# Altium PCB OneBox.PcbDoc (part 13 of 13)
Units mm, origin at the board's own origin, x right, y up, seen from the top; angles counter-clockwise.
Board outline 101 x 69 mm, 6 copper layers (L1_Sig, L2_Gnd, L3_Pow, L4_Sig, L5_Gnd, L6_Sig), stack 1.538 mm thick; 766 components, 563 nets, 3133 pads, 2914 vias.
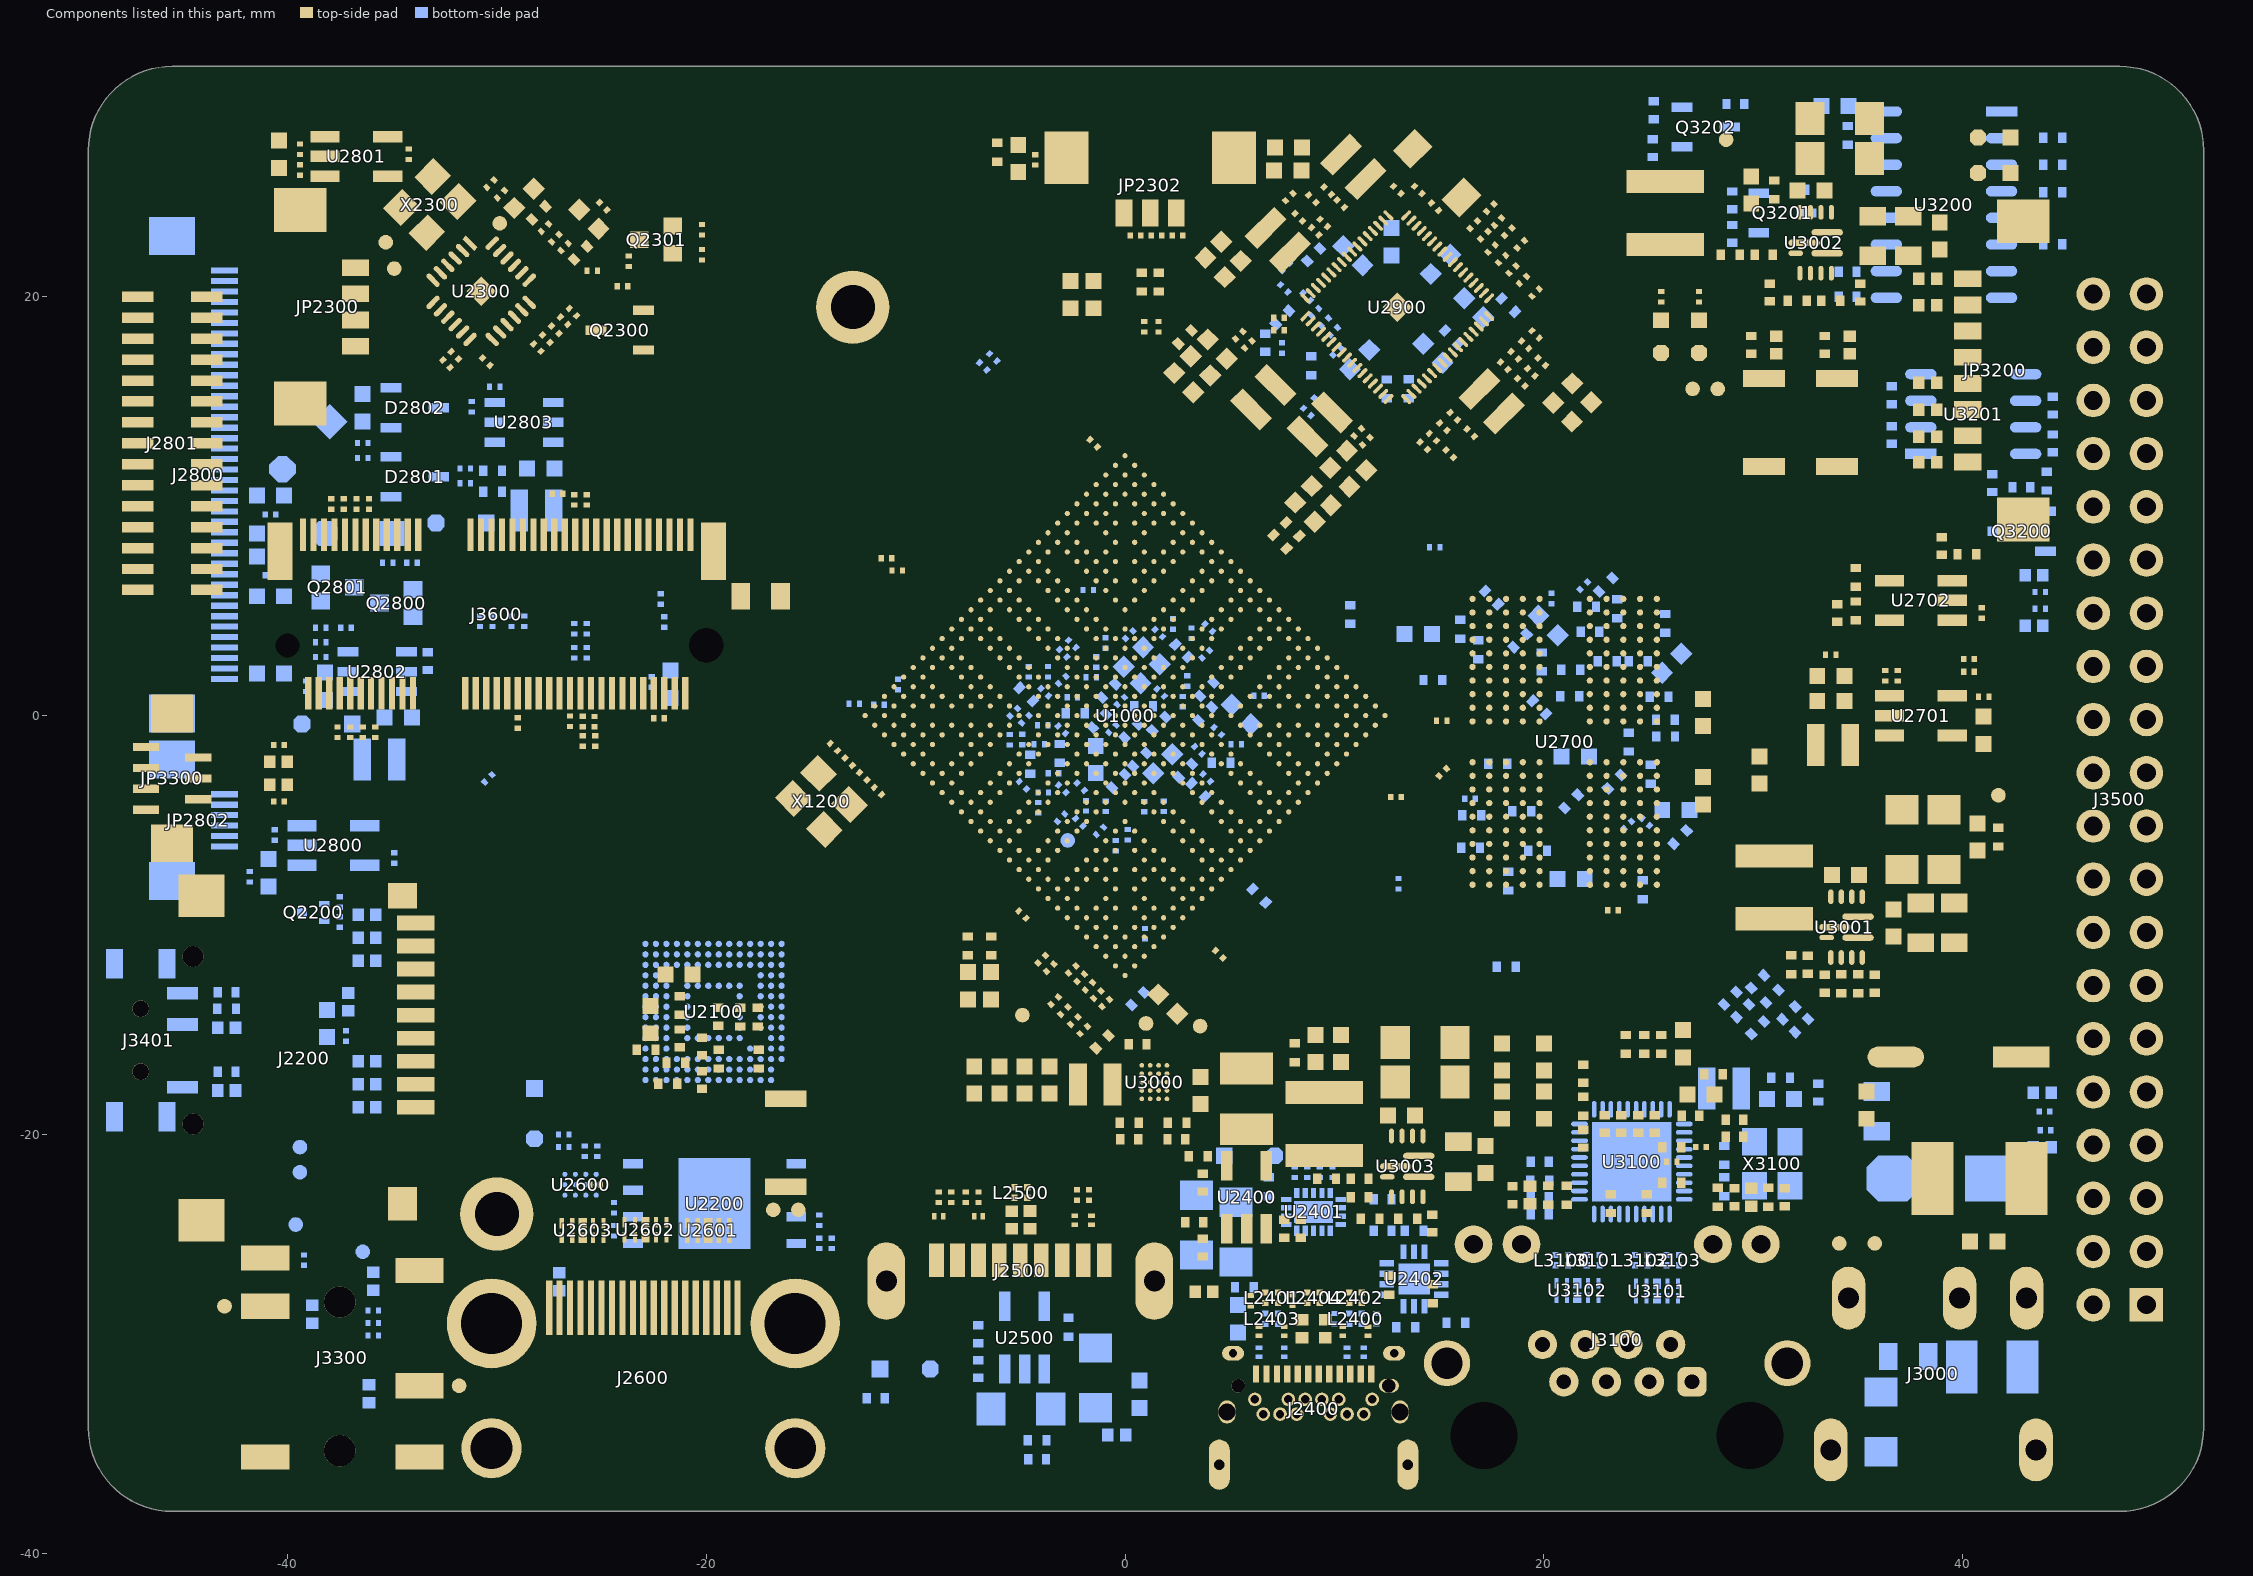
[diagram p17: the components of this part, seen from the top]

## Other copper
L1_Sig:
  pour cut-out: 46.23,9.97 46.177,9.917 46.177,9.077 47.023,9.077 47.3,8.8 47.6,8.8 48.77,9.97
  pour cut-out: 48.77,-7.81 48.77,-10.35 50.1,-9.02 50.1,-7.8
  pour cut-out: 45,-1.4 45.7,-2.1 46.86,-2.1 47.46,-1.5 47.5,-1.5 47.5,-3.291 47.495,-3.295 48.2,-4 49.2,-4 49.65,-4.45 49.59,-4.45 48.77,-5.27 45.87,-5.27 44.2,-3.6
  pour cut-out: 28.4,-7.9 28.735,-7.565 32.9,-7.565 33.267,-7.932 33.267,-8.083 33.466,-8.083 33.45,-8.066 33.45,-7.4 28.458,-7.4
  pour cut-out: 35.1,-2.665 35.165,-2.6 35.8,-2.6 36.2,-2.2 36.2,-1.597 36.068,-1.465 36.033,-1.5 35.4,-1.5
  pour cut-out: -40.468,-2.602 -40.468,-2.898 -40.894,-2.898 -40.989,-2.803 -40.982,-2.795 -40.982,-2.679 -40.975,-2.679 -40.897,-2.602
  pour cut-out: -2.435,-24.102 -1.565,-24.102 -1.565,-23.68 -1.564,-23.678 -2.436,-23.678
  pour cut-out: 9.318,-29.227 10.8,-29.227 10.8,-28.2 10.95,-28.05 9.3,-28.05
  pour cut-out: 44.3,12.3 44.3,11.7 44.7,11.3 44.6,11.2 43.387,11.2 43.387,11.313 43.3,11.4
  pour cut-out: 33,-12.4 33,-12.619 33.058,-12.677 33.048,-12.686 33.048,-12.923 33.489,-12.923 33.422,-12.856 33.422,-12.677
  pour cut-out: 33.912,-11.236 34.083,-11.065 34.316,-11.065 34.487,-11.236 34.523,-11.2 34.6,-11.2 34.2,-10.8 33.8,-10.8
  pour cut-out: 10.641,-18.971 10.641,-20.059 10.4,-20.3 10.5,-20.4 11.8,-20.4 12.1,-20.1 11.7,-19.7 11.7,-18.6 11.012,-18.6
  pour cut-out: -6.748,-22.523 -5.528,-22.474 -5.528,-23.477 -5.658,-23.348 -6.748,-23.348
  pour cut-out: -20.265,-13.207 -20.212,-13.207 -19.653,-13.766 -19.412,-13.766 -19.412,-13.764 -18.894,-13.246 -18.9,-13.241 -18.9,-12.6 -19.655,-12.6 -19.657,-12.599
  pour cut-out: -21.682,-17.931 -21.682,-18.018 -21.2,-18.5 -20.846,-18.5
  pour cut-out: -19.848,-16.325 -19.848,-17.891 -20.66,-17.891 -20.681,-17.87 -20.681,-17.406 -20.2,-16.925 -20.2,-16.225
  pour cut-out: -18.023,-14.545 -17.887,-14.545 -17.887,-15.068 -18.023,-15.068
  pour cut-out: -15.152,-13.952 -15,-13.8 -14.9,-13.8 -14.9,-13.819 -14.9,-13.8 -14.8,-13.985 -14.8,-14.28 -14.837,-14.381 -15.618,-14.381 -15.618,-14.28 -15.886,-14.013 -15.886,-14.008 -15.83,-13.952
  pour cut-out: 21.525,-16.57 21.525,-18.501 21.526,-18.501 22.229,-18.501 22.229,-16.977
  pour cut-out: 25.652,-19.377 25.727,-19.452 26.273,-19.452 26.273,-18.748 26.248,-18.773 25.652,-18.773
  pour cut-out: 6.218,-14.977 6.39,-14.977 6.813,-15.4 7.1,-15.4 7.1,-15.3 7.5,-14.9 7.185,-14.585 7.185,-14.509 7.155,-14.509 6.461,-13.815 6.461,-13.805 6.338,-13.805 6.078,-14.065
  pour cut-out: -14.5,17 -14.5,16.1 -14.514,16.086 -16.386,16.086 -17,16.7 -17,17
  pour cut-out: 4.583,13.283 6.283,12.004 6.283,12.367 7.338,13.422 6.761,14 6.2,14
  pour cut-out: -26.4,-25.8 -25.4,-25.8 -25.5,-25.9 -25.5,-27.182 -25.819,-26.863 -26.165,-26.863 -26.165,-26.035
  pour cut-out: -26.9,-25.8 -26.4,-25.8 -26.4,-24.93 -26.9,-24.93
  pour cut-out: -17.852,-17.152 -18.2,-17.5 -17.6,-17.5 -17.15,-17.95 -16.15,-17.95 -16.232,-17.868 -16.232,-17.568 -16.9,-16.9
  pour cut-out: -29.105,-15.066 -28.5,-15.1 -28.1,-15.1 -28.1,-17.267 -28.963,-18.13 -29.197,-18.13 -29.197,-17.779 -29.8,-17.176 -29.8,-15.124 -29.454,-14.777
  pour cut-out: 20.49,-4.952 20.49,-4.853 20.843,-4.5 21.3,-4.5 21.3,-4.867 21.392,-4.959 21.392,-5.497 20.958,-5.497 20.76,-5.695 20.476,-5.41 20.476,-4.952
  pour cut-out: 23.019,13.3 23.018,13.3 23.018,12.318 22.5,11.8 22.51,11.79 24.384,11.79 24.384,11.884 24.5,12 23.2,13.3
  pour cut-out: 4.157,-11.9 4.157,-12.678 3.191,-13.644 1.813,-12.266 1.813,-11.487 2.3,-11 3.2,-11
  pour cut-out: -3.915,-8.177 -3.81,-8.273 -3.054,-9.029 -2.621,-9.471 -3.31,-10.16 -4.242,-10.16 -5.611,-8.791 -5.616,-8.791 -5.616,-8.591 -5.395,-8.37 -5.344,-8.421 -4.957,-8.421
  pour cut-out: 35.73,20.627 35.102,20.627 34.975,20.5 33.768,20.5 33.768,21.568 33.9,21.7 35.3,21.7 35.73,21.27
  pour cut-out: 24.245,16.812 23.2,15.767 23.2,16.4 22.9,16.7 23.129,16.929 24.129,16.929
  pour cut-out: 23.7,29.6 22.658,28.558 22.658,23.142 22.7,23.1 22.8,23.2 23.7,23.2 23.9,23.4 28.5,23.4 28.028,23.872 28.028,24.895 27.833,24.7 24,24.7 23.7,25
  pour cut-out: 21.014,23.255 20.669,23.6 20.6,23.6 20.6,25.4 21.7,25.4 22.33,24.77 22,24.439 22,22.4 21.869,22.4 21.593,22.676
  pour cut-out: 21.361,29.91 23.7,29.859 22.658,28.817 22.658,24.842 22.7,24.8 22.67,24.77 22.33,24.77 21.7,25.4 20.6,25.4 20.582,25.418 20.582,27.082 21.361,27.861
  pour cut-out: -8.618,20.982 -6.618,19.182 -6.564,18.26 -7.33,17.494 -8.414,17.494 -8.497,17.411 -8.8,17.714
  pour cut-out: -10.182,19.852 -8.8,20.8 -8.497,20.497 -8.497,17.411 -8.789,17.411 -8.8,17.4 -9.597,18.197 -9.597,18.605 -9.864,18.872 -9.864,19.536 -9.961,19.633
  pour cut-out: 24.2,5.542 24.2,6.359 23.737,6.822 24.592,7.677 24.592,7.008 25,6.6 25,5.533 24.991,5.542
  pour cut-out: 21.732,1.024 21.55,0.842 21.55,0.61 21.5,0.559 21.5,0.4 22.066,0.4 22.413,0.053 22.733,0.374 23.142,0.374 23.467,0.699 23.142,1.024 22.992,1.024 22.667,1.349
  pour cut-out: -6.641,-8.847 -6.641,-9.08 -8.413,-10.852 -6.048,-10.852 -6.048,-9.44
  pour cut-out: -11.068,-21.485 -12.19,-22.465 -12.274,-22.207 -12.534,-21.946 -12.534,-21.396 -12.168,-21.03 -11.355,-21.03
  pour cut-out: -9.807,-9.8 -10.557,-10.551 -10.5,-10.608 -10.5,-13.8 -14.3,-13.8 -14.26,-13.76 -14.26,-10.66 -13.4,-9.8
  pour cut-out: -16.845,10.849 -17.059,10.635 -17.059,10.366 -16.562,10.366 -16.382,10.186 -10.115,10.186 -10.001,10.3 -10,10.3 -10,10.541 -10.308,10.849
  pour cut-out: -7.814,3.677 -7.838,3.702 -7.838,4.197 -9.666,6.025 -13.254,6.025 -27,-7.721 -27,-18.153 -23.81,-21.343 -23.677,-21.21 -19.91,-21.21 -19.8,-21.1 -23.9,-17 -23.9,-8.474 -12.172,3.254 -10.601,3.254 -9.785,2.438 -9.375,2.438 -9.235,2.298 -9.192,2.298
  pour cut-out: -32.1,-7.5 -31.6,-7.5 -31.6,-5.7 -31.9,-5.4 -32.1,-5.4
  pour cut-out: -15.753,12.7 -15.733,12.72 -15.733,14.28 -33.42,14.28 -34.5,13.2 -35.153,13.2 -36.033,14.08 -36.544,14.08 -37.744,12.88 -40.98,12.88 -41,12.9 -41,11.8 -41.047,11.8 -42.501,10.346 -43.092,10.346 -43.092,7.666 -42.486,7.666 -42.12,8.033 -42.12,9.88 -40.407,11.593 -33.807,11.593 -32.7,12.7 -32.699,12.7
L2_Gnd:
  pour cut-out: 8,-30.15 10,-30.15 10,-29.475 8,-29.475
  pour cut-out: 10,-29.3 12,-29.3 12,-28.625 10,-28.625
  pour cut-out: 6,-29.3 8,-29.3 8,-28.625 6,-28.625
  pour cut-out: -2.723,-22.524 -2.723,-24.161 -1.282,-24.161 -1.282,-22.524
  pour cut-out: -5.7,-22.5 -5.7,-24.137 -4.258,-24.137 -4.258,-22.5
  pour cut-out: -7.05,-23.582 -7.05,-24.2 -6.498,-24.2 -6.498,-23.582
  pour cut-out: -9.4,-23.582 -9.4,-24.2 -8.848,-24.2 -8.848,-23.582
  pour cut-out: -9.1,-22.6 -6.8,-22.6 -6.8,-23.4 -9.1,-23.4
  pour cut-out: -1.4,-25.15 -1.4,-26.849 -0.6,-26.849 -0.6,-25.15
  pour cut-out: -3.4,-25.15 -3.4,-26.849 -2.6,-26.849 -2.6,-25.15
  pour cut-out: -4.4,-25.15 -4.4,-26.849 -3.6,-26.849 -3.6,-25.15
  pour cut-out: -6.4,-25.15 -6.4,-26.849 -5.6,-26.849 -5.6,-25.15
  pour cut-out: -7.4,-25.15 -7.4,-26.849 -6.6,-26.849 -6.6,-25.15
  pour cut-out: -9.4,-25.15 -9.4,-26.849 -8.6,-26.849 -8.6,-25.15
  pour cut-out: -28.002,9.502 -28.002,7.748 -26.998,7.748 -26.998,9.502
  pour cut-out: -29.502,9.502 -29.502,7.748 -28.498,7.748 -28.498,9.502
  pour cut-out: -31.002,9.502 -31.002,7.748 -29.998,7.748 -29.998,9.502
  pour cut-out: 11.077,-30.998 11.428,-30.998 11.428,-31.865 11.077,-31.865
  pour cut-out: 10.577,-30.998 10.928,-30.998 10.928,-31.865 10.577,-31.865
  pour cut-out: 9.077,-30.998 9.428,-30.998 9.428,-31.865 9.077,-31.865
  pour cut-out: 8.577,-30.998 8.928,-30.998 8.928,-31.865 8.577,-31.865
  pour cut-out: 7.077,-30.998 7.428,-30.998 7.428,-31.865 7.077,-31.865
  pour cut-out: 6.577,-30.998 6.928,-30.998 6.928,-31.865 6.577,-31.865
  pour cut-out: 10.496,-27.304 10.496,-28.3 11.516,-28.3 11.516,-27.304
  pour cut-out: 8.496,-27.304 8.496,-28.3 9.523,-28.3 9.523,-27.304
  pour cut-out: 6.496,-27.304 6.496,-28.3 7.519,-28.3 7.519,-27.304
  pour cut-out: -18.7,-26.9 -18.7,-29.6 -18.3,-29.6 -18.3,-26.9
  pour cut-out: -19.7,-26.9 -19.7,-29.6 -19.3,-29.6 -19.3,-26.9
  pour cut-out: -20.2,-26.9 -20.2,-29.6 -19.8,-29.6 -19.8,-26.9
  pour cut-out: -21.2,-26.9 -21.2,-29.6 -20.8,-29.6 -20.8,-26.9
  pour cut-out: -21.7,-26.9 -21.7,-29.6 -21.3,-29.6 -21.3,-26.9
  pour cut-out: -22.7,-26.9 -22.7,-29.6 -22.3,-29.6 -22.3,-26.9
  pour cut-out: -23.2,-26.9 -23.2,-29.6 -22.8,-29.6 -22.8,-26.9
  pour cut-out: -24.2,-26.9 -24.2,-29.6 -23.8,-29.6 -23.8,-26.9
  pour cut-out: -24.7,-26.9 -24.7,-29.6 -24.3,-29.6 -24.3,-26.9
  pour cut-out: -25.7,-26.9 -25.7,-29.6 -25.3,-29.6 -25.3,-26.9
  pour cut-out: -26.2,-26.9 -26.2,-29.6 -25.8,-29.6 -25.8,-26.9
  pour cut-out: -27.2,-26.9 -27.2,-29.6 -26.8,-29.6 -26.8,-26.9
  pour cut-out: -27.7,-26.9 -27.7,-29.6 -27.3,-29.6 -27.3,-26.9
  pour cut-out: -19.043,-25.226 -19.042,-25.226 -18.774,-25.226 -18.774,-23.964 -19.039,-23.964
  pour cut-out: -19.543,-25.226 -19.542,-25.226 -19.274,-25.226 -19.274,-23.964 -19.539,-23.964
  pour cut-out: -20.543,-25.226 -20.542,-25.226 -20.274,-25.226 -20.274,-23.964 -20.539,-23.964
  pour cut-out: -21.043,-25.226 -21.042,-25.226 -20.774,-25.226 -20.774,-23.964 -21.039,-23.964
  pour cut-out: -22.043,-25.196 -22.042,-25.196 -21.774,-25.196 -21.774,-23.934 -22.039,-23.934
  pour cut-out: -22.543,-25.196 -22.542,-25.196 -22.274,-25.196 -22.274,-23.934 -22.539,-23.934
  pour cut-out: -23.543,-25.196 -23.542,-25.196 -23.274,-25.196 -23.274,-23.934 -23.539,-23.934
  pour cut-out: -24.043,-25.196 -24.042,-25.196 -23.774,-25.196 -23.774,-23.934 -24.039,-23.934
  pour cut-out: -25.043,-25.226 -25.042,-25.226 -24.774,-25.226 -24.774,-23.964 -25.039,-23.964
  pour cut-out: -25.543,-25.226 -25.542,-25.226 -25.274,-25.226 -25.274,-23.964 -25.539,-23.964
  pour cut-out: -26.543,-25.226 -26.542,-25.226 -26.274,-25.226 -26.274,-23.964 -26.539,-23.964
  pour cut-out: -27.043,-25.226 -27.042,-25.226 -26.774,-25.226 -26.774,-23.964 -27.039,-23.964
L4_Sig:
  pour cut-out: -5.9,15.9 -5,15 -4.887,15 -1.57,18.318 -1.6,18.348 -1.6,18.7 -3.07,18.7 -3.101,18.731
  pour cut-out: -2.716,21.443 -3.543,21.443 -3.9,21.8 -5.2,20.5 -5.863,20.5 -9.403,16.96 -9.403,15.203 -9.3,15.1 -9.1,15.1 -3.216,20.984
  pour cut-out: -12.7,2.8 -11.854,2.8 -11.672,2.982 -11.672,3.528 -11.572,3.528 -9.3,5.8 -10,6.5 -10.287,6.5 -10.543,6.244 -12.007,6.244 -12.363,6.6 -12.7,6.6
  pour cut-out: 37.7,11.187 37.587,11.187 36.774,10.374 36.774,10.133 37.24,9.667 37.273,9.7 37.7,9.7
  pour cut-out: 42.8,12.1 43.7,12.1 43.678,12.122 43.678,15.772 43.628,15.772 43,16.4 42.962,16.362 42.8,16.362
  pour cut-out: 42.8,7.3 43.7,7.3 43.7,4.4 43.5,4.4 42.8,5.1 42.8,6.2
  pour cut-out: 45.1,25.051 45,24.951 45,-29.2 50,-29.2 50,21.3 46.249,25.051
  pour cut-out: 27.834,-16.2 27.834,-16.834 28.4,-17.4 29.2,-17.4 27.8,-18.8 26.834,-17.834 26.834,-17.2 26.934,-17.1
  pour cut-out: 8.937,-18.02 9.653,-18.736 9.653,-19.797 11.036,-19.797 12.097,-18.736 12.097,-18.284 11.716,-17.903 9.054,-17.903
  pour cut-out: 2.5,-9.4 3.217,-9.45 3.685,-9.76 3.9,-8.8 3.7,-8.8 3.4,-8.5
  pour cut-out: 0.919,-9.664 1.112,-9.471 1.53,-9.471 2.802,-8.2 3.3,-8.2 3.3,-8.4 3.4,-8.5 2.5,-9.4 1.8,-9.4 1.6,-9.6 1.6,-9.8
  pour cut-out: 4.921,-12.777 5.798,-11.9 6.5,-11.9 6.5,-12.271 6.649,-12.419 5.409,-13.659 4.859,-13.659 4.859,-13.359 4.6,-13.1
  pour cut-out: -2.83,22.876 -2.736,22.782 -2.382,22.782 -2.1,22.5 -0.945,23.655 -0.945,23.942 -0.732,24.155 -0.732,24.732 -1,25 -1.042,24.958 -1.617,24.958 -2.83,23.746
  pour cut-out: -9.5,7 -8.8,6.3 -8.287,6.813 -8.287,7.587 -8.4,7.7 -9.1,7.7
  pour cut-out: -15.2,0 -14,1.2 -14,1.3 -14.18,1.3 -14.602,1.722 -15.178,1.722 -16.7,0.2 -16.624,0.124 -16.624,-0.098
  pour cut-out: 2.6,25.2 3.2,25.2 3.5,24.9 3.9,24.9 5.286,26.286 5.2,26.371 5.2,26.7 4.14,26.7 4.123,26.717
L5_Gnd:
  pour cut-out: -29.552,4.977 -28.444,4.977 -28.44,4.98 -28.44,4.027 -29.548,4.027 -29.552,4.023
  pour cut-out: -31.052,4.977 -29.948,4.977 -29.948,4.023 -31.052,4.023
L6_Sig:
  pour cut-out: 46.23,-10.35 48.77,-10.35 48.77,-12.89 47.48,-11.6 45.7,-11.6
  pour cut-out: 6.409,-24.891 6.209,-24.891 6.209,-25.018 6.245,-25.055 6.245,-25.167 6.509,-25.431 6.735,-25.206 6.735,-24.592 7.33,-23.997 7.291,-23.958 7.291,-23.358 6.783,-23.358 6.672,-23.247 6.356,-23.575 6.375,-23.575 6.6,-23.8 6.6,-24.7
  pour cut-out: 6.798,-21.738 6.6,-21.936 6.6,-22.539 6.704,-22.643 6.629,-22.718 6.629,-22.886 6.293,-22.886 6.224,-22.817 6.224,-22.475 5.931,-22.182 5.931,-21.458 5.927,-21.453 6.653,-21.453 6.7,-21.5
  pour cut-out: 12.177,-20.316 12.177,-22.848 11.875,-23.15 11.789,-23.064 10.849,-23.064 10.849,-22.966 10.612,-22.729 10.612,-20.499 11.72,-20.499 11.74,-20.519
  pour cut-out: 11.662,-18.838 12.191,-19.566 11.762,-19.995 11.215,-19.995 10.755,-19.535 10.51,-19.535 10.51,-19.242 10.879,-18.872
  pour cut-out: 12.177,-23.452 11.875,-23.15 11.875,-23.1 11.5,-23.1 11.1,-23.5 10.305,-23.5 10.305,-24.3 11.2,-25.195 11.38,-25.195 11.726,-24.849 11.828,-24.952 12.177,-24.952
  pour cut-out: 6.7,-21.5 6.653,-21.453 5.427,-21.453 4.179,-20.206 7.906,-20.206 8.291,-20.591 8.291,-21.384
  pour cut-out: -36.251,-16.099 -36.251,-19.102 -35.498,-19.102 -35.498,-16.1
  pour cut-out: 26.2,21.5 26.262,21.5 29.4,18.362 29.4,16.3 29.318,16.3 26.203,19.415
  pour cut-out: 31.9,20 31.168,19.268 31.168,19.058 30.942,19.058 30.3,19.7 30.348,19.748 30.348,20
  pour cut-out: 6.218,-14.977 7.042,-14.977 7.734,-15.669 7.9,-15.502 7.9,-14.755 7.014,-13.869 6.818,-14.065 6.078,-14.065
  pour cut-out: 4.3,-12.8 4.323,-12.777 5.111,-12.777 5.263,-12.929 5.263,-12.19 4.41,-12.19 4.3,-12.3
  pour cut-out: -0.063,12.913 0.878,12.913 0.913,12.948 0.9,12.961 0.9,13.5 0.547,13.5 0.339,13.292
  pour cut-out: -0.4,19.911 0.373,20.683 0.383,20.683 0.383,19.451 0.05,19.117 -0.416,19.584
  pour cut-out: 0.138,22.302 0.139,22.3 1.3,22.3 1.3,21.6 0.755,21.055 0.195,21.055 0.195,21.987 0.138,22.044
  pour cut-out: 1.537,21.213 1.951,20.975 2.184,20.742 1.412,19.97 1.412,18.653 0.553,18.653 0.587,18.687 0.587,20.599 1.226,21.391
  pour cut-out: 9.783,-19.904 9.735,-19.787 9.098,-19.138 9.436,-18.8 9.9,-18.8
  pour cut-out: 7.163,-18.799 8.76,-18.799 8.762,-18.802 9.898,-18.802 9.9,-18.8 9.9,-16.1 8.555,-14.755 7.9,-14.755
  pour cut-out: -25.394,2.006 -23.406,2.006 -23.4,2 -23.4,0.929 -25.971,0.929 -26.188,0.712 -26.188,1.212
  pour cut-out: -21.919,6.043 -20.967,6.043 -20.967,5.67 -20.924,5.626 -21.397,5.153 -21.397,5.034 -21.888,5.034 -22.171,5.317 -22.165,5.323 -22.165,5.805
  pour cut-out: -8.8,20.8 -6.9,20.8 -6.5,21.2 -6.47,21.17 -6.47,18.863 -6.663,18.863 -6.8,19 -7.6,19 -9.1,20.5
  pour cut-out: -6.317,15.257 -6.6,14.974 -6.6,11.3 -6.878,11.3 -9.1,13.522 -9.1,19.2 -8.8,19.2 -8.7,19.3
  pour cut-out: -6.317,15.514 -6.288,15.544 -6.288,17.043 -7.173,17.929 -7.015,18.087 -7.015,18.39 -6.564,18.39 -6.054,18.9 -5.3,18.9 -5.3,15 -5.4,14.9
  pour cut-out: -10.4,16.3 -9.5,16.3 -9.5,13.368 -9.506,13.361 -10.22,14.075 -10.5,14.075
  pour cut-out: -27.999,-15.787 -27.999,-15.967 -27.783,-16.183 -27.9,-16.3 -29.7,-16.3 -29.97,-16.03 -29.97,-15.67
  pour cut-out: -4.833,-5.738 -5.427,-5.145 -8.319,-5.145 -8.7,-5.526 -8.7,-5.8 -4.894,-5.8
  pour cut-out: -22.9,-8.7 -22.9,-10.454 -28.116,-15.67 -28.561,-15.67 -30.329,-13.902 -30.424,-13.902 -30.424,-12.892 -26.265,-8.733
  pour cut-out: -41.7,20.3 -41.816,20.184 -41.816,14.66 -38.4,18.076 -38.4,20.6 -41.011,20.6 -41.267,20.344
  pour cut-out: -39.7,26.9 -39.697,26.897 -31.948,26.897 -31.4,26.349 -31.4,26.1 -36.867,26.1 -36.967,26.2 -39.2,26.2 -39.694,26.694
  pour cut-out: -41.458,24.158 -41.458,23.325 -41.483,23.3 -37.9,23.3 -37.9,24.1 -38.13,24.33 -40.921,24.33 -40.927,24.324
  pour cut-out: -17.192,11.649 -17.052,11.789 -16.711,11.789 -16.5,12 -18.6,14.1 -19.3,14.1 -19.3,13.9
  pour cut-out: -19.841,12.553 -19.837,12.556 -19.837,13.061 -25.876,19.1 -26.167,18.809 -26.167,18.72 -20,12.553

## Silkscreen, mask and mechanical layers (free items; w line width, h text height)
Top Overlay:
  drawing of 5063 lines, arcs and shapes, not listed
  text "Fan" at -5.736,22.567 h2.54
  text "IO" at 24.687,17.282 h1.52 r90
  text "PWR" at 29.087,16.471 h1.52 r90
  text "PWRON" at 35.963,16.122 h1.52 r270
  text "Zigbee" at -37.3,14.078 h2.54
  text "RST" at 28.389,11.8 h1.52 r90
  text "Camera" at -41.278,9.3 h2.54 r90
  text "RS485/RS232" at 42.864,8 h2.54 r270
  text "HAS A1" at 16.9,6.727 h3.05
  text "WiFi/BT" at -28.3,-4.278 h2.54
  text "Mic/BTN" at -38.022,-8.3 h2.54 r90
  text "Ver. 1.1" at 20.2,-11.083 h2.03
  text "MASKROM" at -18.937,-17.476 h1.52 r270
  text "12V" at 32.2,-23.6 h2.54
Bottom Overlay:
  region: -41.706,-20.714 -41.706,-10.323 -41.85,-10.323 -41.85,-20.714
  region: -39.99,-20.712 -39.99,-10.326 -40.048,-10.326 -40.048,-20.712
  region: -41.693,-5.152 -41.693,-1.356 -41.837,-1.356 -41.837,-5.152
  region: -40.351,-5.151 -40.351,-1.357 -40.409,-1.357 -40.409,-5.151
  region: -40.077,13.111 -40.077,21.499 -40.135,21.499 -40.135,13.111
  region: -41.793,13.112 -41.793,21.502 -41.937,21.502 -41.937,13.112
  text "Display" at -40.512,21.501 h2.54 r90
  text "TP" at -40.409,-1.356 h2.54 r90
  text "Recovery" at -40.425,-10.324 h2.54 r90
Top Solder:
  lines w1.2: -48.9,27 cw(c-45.5,27) -45.5,30.4 ; -48.9,27.014 -48.9,-34 ccw(c-45.5,-34) -45.5,-37.4 47.5,-37.4 ccw(c47.5,-34) 50.9,-34 50.9,27 ccw(c47.5,27) 47.5,30.4 -45.514,30.4
Bottom Solder:
  lines w1.2: -48.9,-34 ccw(c-45.5,-34) -45.5,-37.4 47.5,-37.4 ccw(c47.5,-34) 50.9,-34 50.9,27 ccw(c47.5,27) 47.5,30.4 -45.5,30.4 ccw(c-45.5,27) -48.9,27 -48.9,-34
Mechanical 1:
  lines w0.152: -49.5,-34 -49.5,27 cw(c-45.5,27) -45.497,31 47.497,31 ; -49.5,-33.997 ccw(c-45.5,-34) -45.5,-38 ; -45.503,-38 47.494,-38 ; 47.497,-38 ccw(c47.5,-34) 51.5,-34 ; 47.5,31 cw(c47.5,27) 51.5,26.997 ; 51.5,-34.003 51.5,26.994
Mechanical 2:
  lines w0.005: 11.912,6.855 12.5,6.855 12.5,7.9 13.538,7.9 13.538,6.855 14.126,6.855 14.126,9.371 13.538,9.371 13.538,8.419 12.5,8.419 12.5,9.371 11.912,9.371 11.912,6.855
Mechanical 13:
  circle w0.1: c0,0 r1.389
  circle w0.1: c1,-3.5 r0.939
  lines w0.1: -0.7,0 0.7,0 ; 0,-0.85 0,0.85 ; 0.4,-3.5 1.6,-3.5 ; 1,-4.1 1,-2.9
Drill Drawing:
  drawing of 187 lines, arcs and shapes, not listed
  text "Symbol" at 71.594,60.373 h1.83
  text "Count" at 84.443,60.373 h1.83
  text "Hole Size" at 100.695,60.373 h1.83
  text "Plated" at 129.896,60.373 h1.83
  text "Hole Type" at 142.745,60.373 h1.83
  text "Drill Layer Pair" at 161.384,60.373 h1.83
  text "Via/Pad" at 191.601,60.373 h1.83
  text "Pad Shape" at 206.583,60.373 h1.83
  text "Template" at 225.527,60.373 h1.83
  text "Description" at 257.521,60.373 h1.83
  text "Hole Tolerance (+)" at 279.207,60.373 h1.83
  text "Hole Tolerance (-)" at 313.08,60.373 h1.83
  text "Hole Length" at 346.954,60.373 h1.83
  text "Routed Path Length" at 374.886,60.373 h1.83
  text "1" at 84.443,56.563 h1.52
  text "25.59mil (0.650mm)" at 100.695,56.563 h1.52
  text "PTH" at 129.896,56.563 h1.52
  text "Round" at 142.745,56.563 h1.52
  text "L1_Sig - L6_Sig" at 161.384,56.563 h1.52
  text "Pad" at 191.601,56.563 h1.52
  text "Rounded" at 206.583,56.563 h1.52
  text "c65h65" at 225.527,56.563 h1.52
  text "-" at 346.954,56.563 h1.52
  text "-" at 374.886,56.563 h1.52
  text "D" at 70.855,56.309 h1.69
  text "1" at 84.443,52.753 h1.52
  text "25.59mil (0.650mm)" at 100.695,52.753 h1.52
  text "PTH" at 129.896,52.753 h1.52
  text "Slot" at 142.745,52.753 h1.52
  text "L1_Sig - L6_Sig" at 161.384,52.753 h1.52
  text "Pad" at 191.601,52.753 h1.52
  text "Rounded" at 206.583,52.753 h1.52
  text "r65_95h65_95r100" at 225.527,52.753 h1.52
  text "37.40mil (0.950mm)" at 346.954,52.753 h1.52
  text "11.81mil (0.300mm)" at 374.886,52.753 h1.52
  text "C" at 70.855,52.499 h1.69
  text "1" at 84.443,48.943 h1.52
  text "45.28mil (1.150mm)" at 100.695,48.943 h1.52
  text "NPTH" at 129.896,48.943 h1.52
  text "Round" at 142.745,48.943 h1.52
  text "L1_Sig - L6_Sig" at 161.384,48.943 h1.52
  text "Pad" at 191.601,48.943 h1.52
  text "Rounded" at 206.583,48.943 h1.52
  text "c57hn115" at 225.527,48.943 h1.52
  text "-" at 346.954,48.943 h1.52
  text "-" at 374.886,48.943 h1.52
  text "1" at 84.443,45.133 h1.52
  text "64.96mil (1.650mm)" at 100.695,45.133 h1.52
  text "NPTH" at 129.896,45.133 h1.52
  text "Round" at 142.745,45.133 h1.52
  text "L1_Sig - L6_Sig" at 161.384,45.133 h1.52
  text "Pad" at 191.601,45.133 h1.52
  text "Rounded" at 206.583,45.133 h1.52
  text "c82hn165" at 225.527,45.133 h1.52
  text "-" at 346.954,45.133 h1.52
  text "-" at 374.886,45.133 h1.52
  text "2" at 84.443,41.323 h1.52
  text "15.75mil (0.400mm)" at 100.695,41.323 h1.52
  text "PTH" at 129.896,41.323 h1.52
  text "Slot" at 142.745,41.323 h1.52
  text "L1_Sig - L6_Sig" at 161.384,41.323 h1.52
  text "Pad" at 191.601,41.323 h1.52
  text "Rounded" at 206.583,41.323 h1.52
  text "r105_70h40_75r100" at 225.527,41.323 h1.52
  text "29.53mil (0.750mm)" at 346.954,41.323 h1.52
  text "13.78mil (0.350mm)" at 374.886,41.323 h1.52
  text "B" at 70.855,41.069 h1.69
  text "2" at 84.443,37.513 h1.52
  text "19.69mil (0.500mm)" at 100.695,37.513 h1.52
  text "PTH" at 129.896,37.513 h1.52
  text "Slot" at 142.745,37.513 h1.52
  text "L1_Sig - L6_Sig" at 161.384,37.513 h1.52
  text "Pad" at 191.601,37.513 h1.52
  text "Rounded" at 206.583,37.513 h1.52
  text "r240_100h50_150r100" at 225.527,37.513 h1.52
  text "59.06mil (1.500mm)" at 346.954,37.513 h1.52
  text "39.37mil (1.000mm)" at 374.886,37.513 h1.52
  text "G" at 70.855,37.259 h1.69
  text "2" at 84.443,33.703 h1.52
  text "31.50mil (0.800mm)" at 100.695,33.703 h1.52
  text "PTH" at 129.896,33.703 h1.52
  text "Round" at 142.745,33.703 h1.52
  text "L1_Sig - L6_Sig" at 161.384,33.703 h1.52
  text "Pad" at 191.601,33.703 h1.52
  text "Rounded" at 206.583,33.703 h1.52
  text "c80h80" at 225.527,33.703 h1.52
  text "-" at 346.954,33.703 h1.52
  text "-" at 374.886,33.703 h1.52
  text "2" at 84.443,29.893 h1.52
  text "31.50mil (0.800mm)" at 100.695,29.893 h1.52
  text "PTH" at 129.896,29.893 h1.52
  text "Slot" at 142.745,29.893 h1.52
  text "L1_Sig - L6_Sig" at 161.384,29.893 h1.52
  text "Pad" at 191.601,29.893 h1.52
  text "Rounded" at 206.583,29.893 h1.52
  text "r110_80h80_110r100" at 225.527,29.893 h1.52
  text "43.31mil (1.100mm)" at 346.954,29.893 h1.52
  text "11.81mil (0.300mm)" at 374.886,29.893 h1.52
  text "F" at 70.855,29.639 h1.69
  text "2" at 84.443,26.083 h1.52
  text "39.37mil (1.000mm)" at 100.695,26.083 h1.52
  text "NPTH" at 129.896,26.083 h1.52
  text "Round" at 142.745,26.083 h1.52
  text "L1_Sig - L6_Sig" at 161.384,26.083 h1.52
  text "Pad" at 191.601,26.083 h1.52
  text "Rounded" at 206.583,26.083 h1.52
  text "c100hn100" at 225.527,26.083 h1.52
  text "-" at 346.954,26.083 h1.52
  text "-" at 374.886,26.083 h1.52
  text "H" at 70.855,25.829 h1.69
  text "2" at 84.443,22.273 h1.52
  text "39.37mil (1.000mm)" at 100.695,22.273 h1.52
  text "PTH" at 129.896,22.273 h1.52
  text "Slot" at 142.745,22.273 h1.52
  text "L1_Sig - L6_Sig" at 161.384,22.273 h1.52
  text "Pad" at 191.601,22.273 h1.52
  text "Rounded" at 206.583,22.273 h1.52
  text "(Mixed)" at 225.527,22.273 h1.52
  text "98.43mil (2.500mm)" at 346.954,22.273 h1.52
  text "59.06mil (1.500mm)" at 374.886,22.273 h1.52
  text "2" at 84.443,18.463 h1.52
  text "78.43mil (1.992mm)" at 100.695,18.463 h1.52
  text "PTH" at 129.896,18.463 h1.52
  text "Round" at 142.745,18.463 h1.52
  text "L1_Sig - L6_Sig" at 161.384,18.463 h1.52
  text "Pad" at 191.601,18.463 h1.52
  text "Rounded" at 206.583,18.463 h1.52
  text "c288h199" at 225.527,18.463 h1.52
  text "-" at 346.954,18.463 h1.52
  text "-" at 374.886,18.463 h1.52
  text "2" at 84.443,14.653 h1.52
  text "82.68mil (2.100mm)" at 100.695,14.653 h1.52
  text "PTH" at 129.896,14.653 h1.52
  text "Round" at 142.745,14.653 h1.52
  text "L1_Sig - L6_Sig" at 161.384,14.653 h1.52
  text "Pad" at 191.601,14.653 h1.52
  text "Rounded" at 206.583,14.653 h1.52
  text "c350h210" at 225.527,14.653 h1.52
  text "-" at 346.954,14.653 h1.52
  text "-" at 374.886,14.653 h1.52
  text "2" at 84.443,10.843 h1.52
  text "114.55mil (2.909mm)" at 100.695,10.843 h1.52
  text "PTH" at 129.896,10.843 h1.52
  text "Round" at 142.745,10.843 h1.52
  text "L1_Sig - L6_Sig" at 161.384,10.843 h1.52
  text "Pad" at 191.601,10.843 h1.52
  text "Rounded" at 206.583,10.843 h1.52
  text "c428h291" at 225.527,10.843 h1.52
  text "-" at 346.954,10.843 h1.52
  text "-" at 374.886,10.843 h1.52
  text "2" at 84.443,7.033 h1.52
  text "125.98mil (3.200mm)" at 100.695,7.033 h1.52
  text "NPTH" at 129.896,7.033 h1.52
  text "Round" at 142.745,7.033 h1.52
  text "L1_Sig - L6_Sig" at 161.384,7.033 h1.52
  text "Pad" at 191.601,7.033 h1.52
  text "Rounded" at 206.583,7.033 h1.52
  text "c0hn320" at 225.527,7.033 h1.52
  text "-" at 346.954,7.033 h1.52
  text "-" at 374.886,7.033 h1.52
  text "4" at 84.443,3.223 h1.52
  text "8.00mil (0.203mm)" at 100.695,3.223 h1.52
  text "PTH" at 129.896,3.223 h1.52
  text "Round" at 142.745,3.223 h1.52
  text "L1_Sig - L6_Sig" at 161.384,3.223 h1.52
  text "Via" at 191.601,3.223 h1.52
  text "Rounded" at 206.583,3.223 h1.52
  text "v30h20m0mx0(1)" at 225.527,3.223 h1.52
  text "-" at 346.954,3.223 h1.52
  text "-" at 374.886,3.223 h1.52
  text "4" at 84.443,-0.587 h1.52
  text "59.06mil (1.500mm)" at 100.695,-0.587 h1.52
  text "PTH" at 129.896,-0.587 h1.52
  text "Round" at 142.745,-0.587 h1.52
  text "L1_Sig - L6_Sig" at 161.384,-0.587 h1.52
  text "Pad" at 191.601,-0.587 h1.52
  text "Rounded" at 206.583,-0.587 h1.52
  text "(Mixed)" at 225.527,-0.587 h1.52
  text "-" at 346.954,-0.587 h1.52
  text "-" at 374.886,-0.587 h1.52
  text "5" at 84.443,-4.397 h1.52
  text "39.37mil (1.000mm)" at 100.695,-4.397 h1.52
  text "PTH" at 129.896,-4.397 h1.52
  text "Slot" at 142.745,-4.397 h1.52
  text "L1_Sig - L6_Sig" at 161.384,-4.397 h1.52
  text "Pad" at 191.601,-4.397 h1.52
  text "Rounded" at 206.583,-4.397 h1.52
  text "r160_300h100_220r100" at 225.527,-4.397 h1.52
  text "86.61mil (2.200mm)" at 346.954,-4.397 h1.52
  text "47.24mil (1.200mm)" at 374.886,-4.397 h1.52
  text "8" at 84.443,-8.207 h1.52
  text "27.56mil (0.700mm)" at 100.695,-8.207 h1.52
  text "PTH" at 129.896,-8.207 h1.52
  text "Round" at 142.745,-8.207 h1.52
  text "L1_Sig - L6_Sig" at 161.384,-8.207 h1.52
  text "Pad" at 191.601,-8.207 h1.52
  text "(Mixed)" at 206.583,-8.207 h1.52
  text "(Mixed)" at 225.527,-8.207 h1.52
  text "-" at 346.954,-8.207 h1.52
  text "-" at 374.886,-8.207 h1.52
  text "12" at 84.443,-12.017 h1.52
  text "15.75mil (0.400mm)" at 100.695,-12.017 h1.52
  text "PTH" at 129.896,-12.017 h1.52
  text "Round" at 142.745,-12.017 h1.52
  text "L1_Sig - L6_Sig" at 161.384,-12.017 h1.52
  text "Pad" at 191.601,-12.017 h1.52
  text "Rounded" at 206.583,-12.017 h1.52
  text "c65h40" at 225.527,-12.017 h1.52
  text "-" at 346.954,-12.017 h1.52
  text "-" at 374.886,-12.017 h1.52
  text "E" at 70.855,-12.271 h1.69
  text "44" at 84.443,-15.827 h1.52
  text "35.43mil (0.900mm)" at 100.695,-15.827 h1.52
  text "PTH" at 129.896,-15.827 h1.52
  text "Round" at 142.745,-15.827 h1.52
  text "L1_Sig - L6_Sig" at 161.384,-15.827 h1.52
  text "Pad" at 191.601,-15.827 h1.52
  text "(Mixed)" at 206.583,-15.827 h1.52
  text "(Mixed)" at 225.527,-15.827 h1.52
  text "-" at 346.954,-15.827 h1.52
  text "-" at 374.886,-15.827 h1.52
  text "199" at 84.443,-19.637 h1.52
  text "11.81mil (0.300mm)" at 100.695,-19.637 h1.52
  text "PTH" at 129.896,-19.637 h1.52
  text "Round" at 142.745,-19.637 h1.52
  text "L1_Sig - L6_Sig" at 161.384,-19.637 h1.52
  text "Via" at 191.601,-19.637 h1.52
  text "Rounded" at 206.583,-19.637 h1.52
  text "v50h30m0mx0" at 225.527,-19.637 h1.52
  text "-" at 346.954,-19.637 h1.52
  text "-" at 374.886,-19.637 h1.52
  text "A" at 70.855,-19.891 h1.69
  text "2711" at 84.443,-23.447 h1.52
  text "7.87mil (0.200mm)" at 100.695,-23.447 h1.52
  text "PTH" at 129.896,-23.447 h1.52
  text "Round" at 142.745,-23.447 h1.52
  text "L1_Sig - L6_Sig" at 161.384,-23.447 h1.52
  text "Via" at 191.601,-23.447 h1.52
  text "Rounded" at 206.583,-23.447 h1.52
  text "v30h20m0mx0" at 225.527,-23.447 h1.52
  text "-" at 346.954,-23.447 h1.52
  text "-" at 374.886,-23.447 h1.52
  text "3011 Total" at 84.443,-27.257 h1.52
  text "Slot definitions :" at 71.594,-30.939 h1.52
  text "Routed Path Length" at 97.824,-30.939 h1.52
  text "= Calculated from tool start centre position to tool end centre position." at 125.832,-30.939 h1.52
  text "Hole Length" at 97.824,-33.479 h1.52
  text "= Routed Path Length + Tool Size = Slot length as defined in the PCB layout" at 115.421,-33.479 h1.52

## Text inside footprints (layer, text, board x,y; h text height)
J3500: Top Overlay "39" at 49.278,21.908 h1.02 r90; Top Overlay "40" at 46.738,21.908 h1.02 r90; Top Overlay "2" at 46.738,-30.67 h1.02 r90; Top Overlay "1" at 49.278,-30.416 h1.02 r90